# Altium PCB Power Distribution Board.PcbDoc (part 2 of 2) (continued)
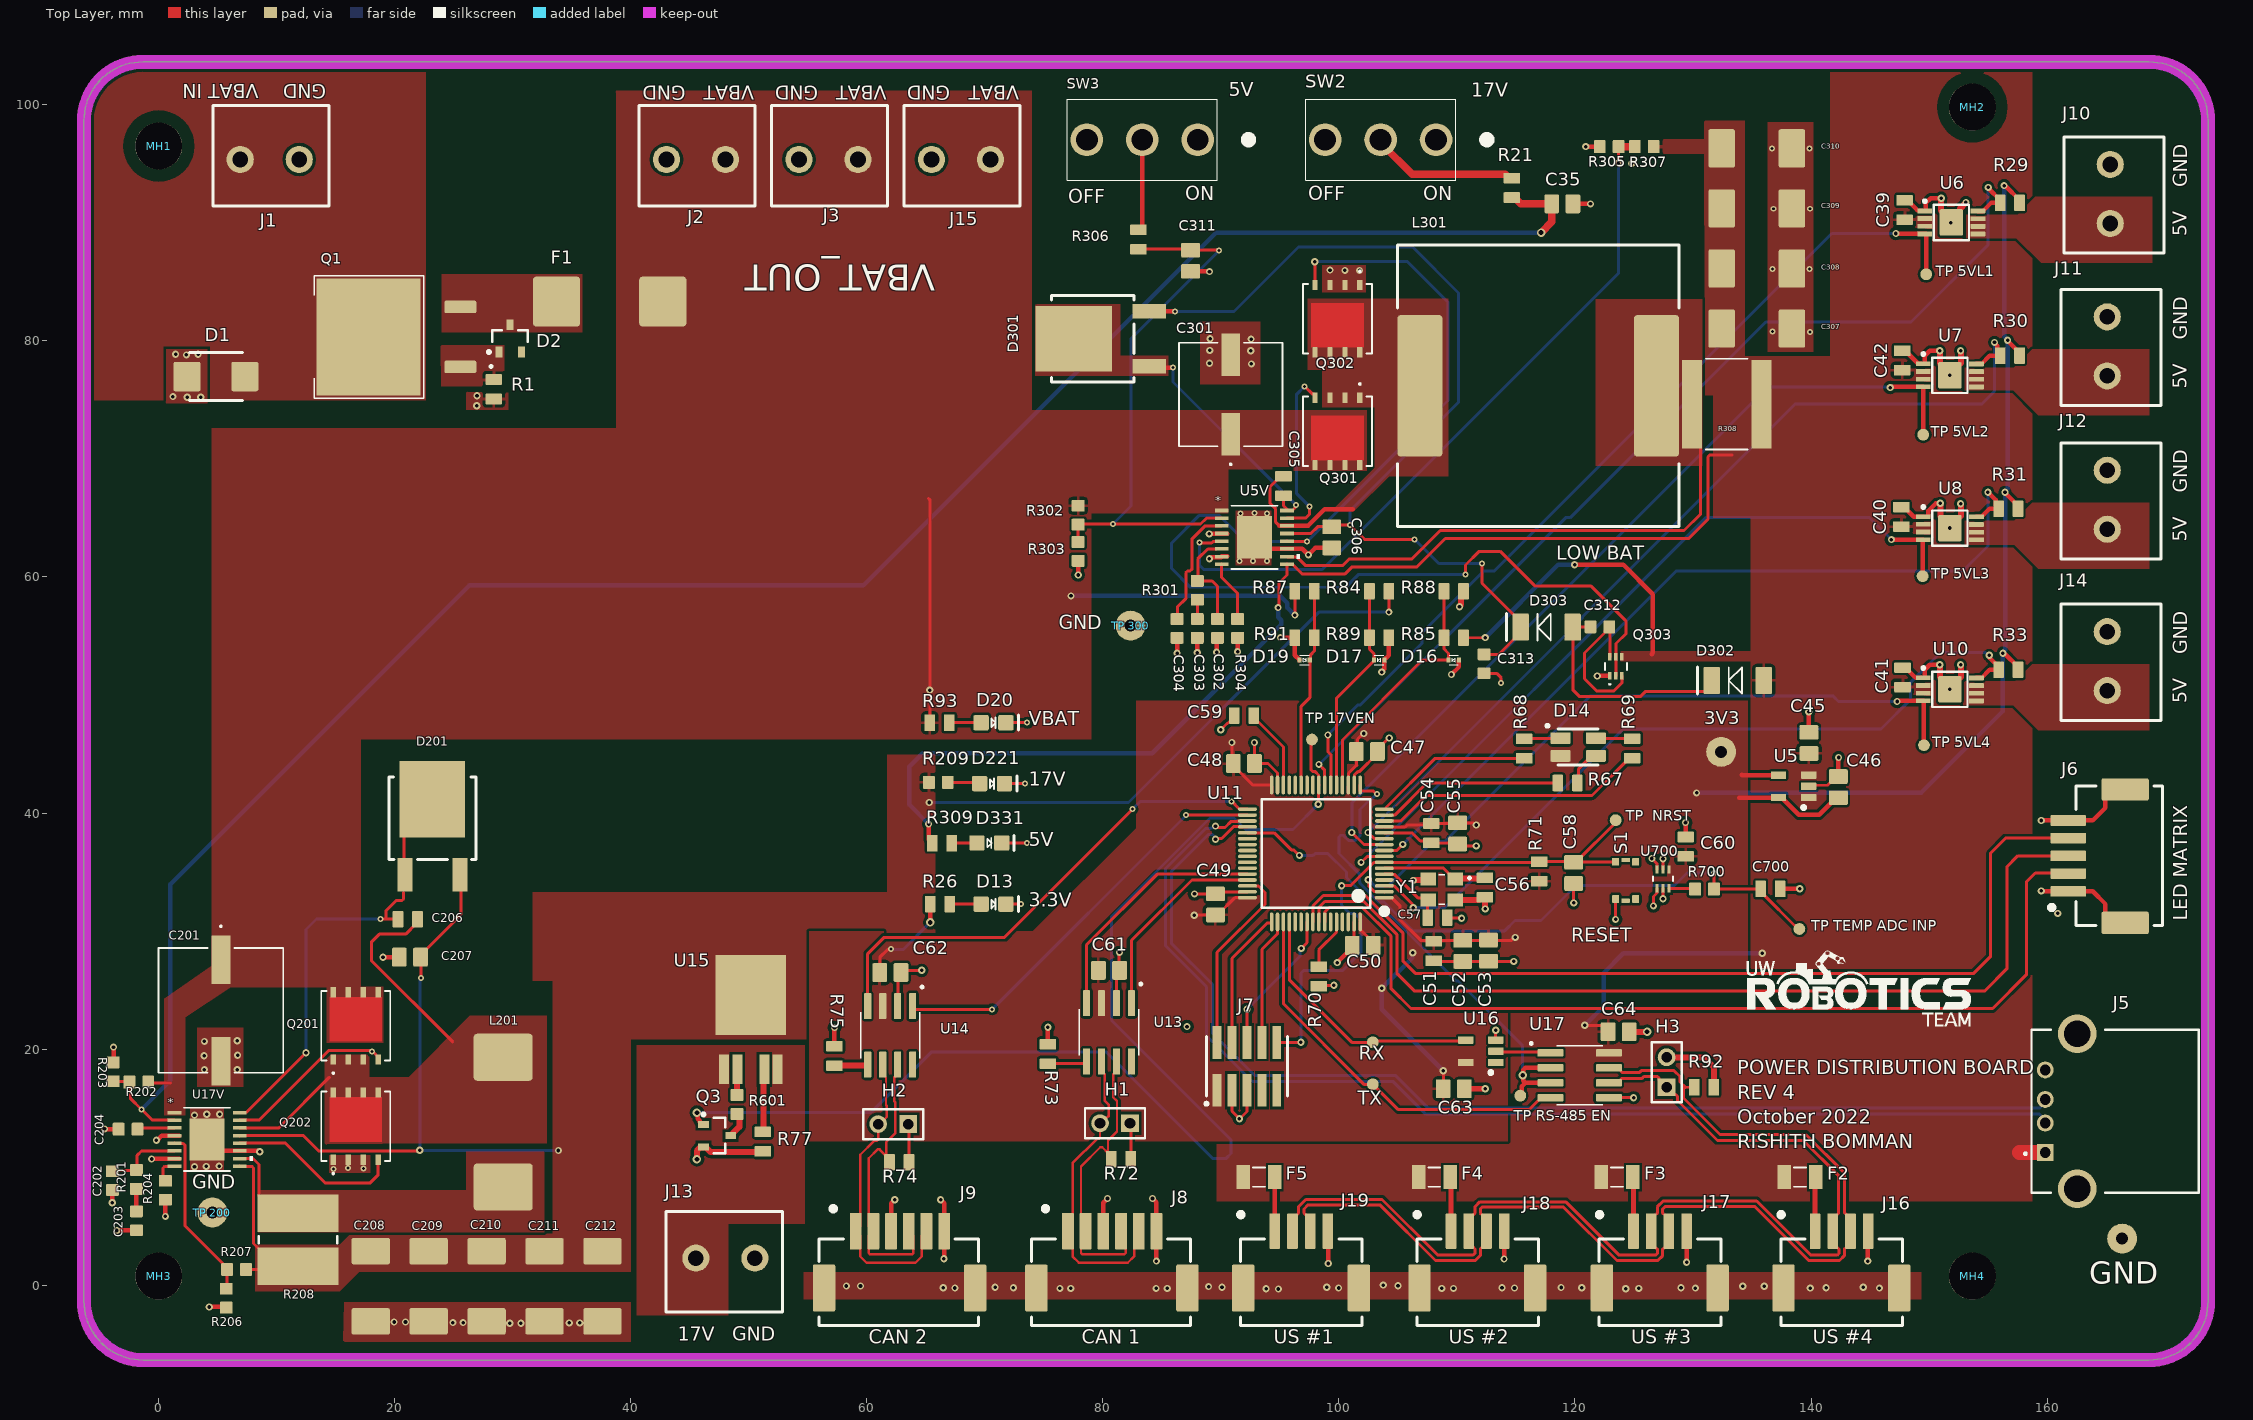
[diagram p0: Top Layer view]
## Nets (pads, with @x,y where several pads share a name; then routed paths per layer and width w, separated by ;. In a path a pad name is that pad's centre, name@x,y a point inside that pad or via, vN(x,y) a via of type N, cw(c..) or ccw(c..) an arc to the next point about the centre after c; other vN are vias at no path point) (continued)
NetD20_1: D20.1 R93.1 | length 2.7
  Top Layer w0.254: R93.1@66.981,47.65 D20.1@69.678,47.65
NetD221_1: D221.1 R209.2 | length 2.7
  Top Layer w0.254: R209.2@66.853,42.596 66.881,42.568 69.48,42.568 D221.1@69.553,42.494
NetD331_1: D331.1 R309.2 | length 2.2
  Top Layer w0.254: R309.2@67.183,37.44 67.208,37.465 D331.1@69.325,37.465
NetF2_1: F2.1 J16.1 | length 4.6
  Top Layer w0.254: F2.1@140.343,9.089 F2.1@140.398,9.144
  Top Layer w0.406: J16.1@140.343,4.566 F2.1@140.343,9.089
NetF3_1: F3.1 J17.1 | length 4.6
  Top Layer w0.254: F3.1@124.904,9.144 F3.1@124.955,9.093
  Top Layer w0.406: J17.1@124.955,4.566 F3.1@124.955,9.093
NetF4_1: F4.1 J18.1 | length 4.6
  Top Layer w0.254: F4.1@109.41,9.144 F4.1@109.498,9.056
  Top Layer w0.406: J18.1@109.498,4.572 F4.1@109.498,9.056
NetF5_1: F5.1 J19.1 | length 4.7
  Top Layer w0.254: F5.1@94.56,8.899 F5.1@94.805,9.144
  Top Layer w0.406: J19.1@94.56,4.572 F5.1@94.56,8.899
NetH1_1: H1.1 R72.1 | length 3.1
  Top Layer w0.254: H1.1@82.296,13.716 82.359,13.653 R72.1@82.359,10.668
NetH2_1: H2.1 R74.1 | length 3.3
  Top Layer w0.254: H2.1@63.494,13.642 63.563,13.573 R74.1@63.563,10.414
NetH3_2: H3.2 R92.1 | length 6.1
  Top Layer w0.508: H3.2@127.762,19.304 130.937,19.304 131.762,18.479 R92.1@131.762,16.764
NetQ3_1: "TP 17VEN.1" Q3.1 U11.24 | length 105.1
  Top Layer w0.254: 97.714,46.228 97.617,46.131 97.617,43.684 97.795,43.506 97.993,43.506 98.274,43.225 98.274,43.078 98.285,43.067 98.285,42.385 U11.24@98.294,42.376 98.285,42.367 98.285,40.78 v1(98.247,40.742)
  Top Layer w0.381: v3(45.593,14.605) 45.68,14.518 45.68,14.086 45.829,13.937 45.829,13.787 46.002,13.614 Q3.1@46.152,13.614
  Bottom Layer w0.254: v3(45.593,14.605) 60.317,14.605 65.448,19.736 80.294,19.736 89.286,10.744 90.454,10.744 90.856,11.146 90.856,12.314 80.721,22.449 80.721,31.237 89.064,39.581 91.102,39.581 92.075,38.608 96.114,38.608 v1(98.247,40.742)
NetQ3_3: Q3.3 R601.1 | length 2.3
  Top Layer w0.508: Q3.3@48.452,12.664 48.602,12.664 48.648,12.71 48.648,12.86 49.2,13.412 49.2,14.3 R601.1@48.997,14.503
NetR21_1: R21.1 SW2.2 | length 12.3
  Top Layer w0.635: SW2.2@103.692,96.638 106.197,94.132 114.075,94.132 114.483,93.725 R21.1@114.809,93.725
NetR29_1: R29.1 U6.8 U11.23 | length 85.7
  Top Layer w0.254: v1(98.303,44.118) 98.789,43.631 98.789,43.455 98.794,43.451 U11.23@98.794,42.376
  Top Layer w0.381: U6.8@154.142,91.008 154.567,91.008 155.253,91.694 R29.1@156.02,91.694 156.02,91.944 155.06,92.904 155.06,92.971 v1(155.016,93.015)
  Bottom Layer w0.254: v1(98.303,44.118) 119.209,65.025 119.589,65.025 136.174,81.611 148.463,81.611 155.016,88.163 v1(155.016,93.015)
NetR30_1: R30.1 U7.8 U11.11 | length 77.8
  Top Layer w0.254: v1(102.464,38.354) 102.983,37.835 103.835,37.835 U11.11@103.844,37.826
  Top Layer w0.381: U7.8@154.015,78.054 154.44,78.054 155.126,78.74 155.893,78.74 155.76,78.873 155.76,79.61 155.55,79.821 v1(155.55,79.883)
  Bottom Layer w0.254: v1(102.464,38.354) 120.632,56.522 120.632,56.624 138.684,74.676 154.483,74.676 155.55,75.743 v1(155.55,79.883)
NetR31_1: R31.1 U8.8 U11.9 | length 70.3
  Top Layer w0.254: U11.9@103.844,36.826 104.898,36.826 v1(105.41,37.338)
  Top Layer w0.381: U8.8@154.015,65.1 154.44,65.1 155.126,65.786 R31.1@155.893,65.786 155.633,66.046 155.633,66.54 v1(154.991,67.183)
  Bottom Layer w0.254: v1(105.41,37.338) 128.575,60.503 152.857,60.503 154.991,62.636 v1(154.991,67.183)
NetR33_1: R33.1 U10.8 U11.3 | length 65.8
  Top Layer w0.254: U11.3@103.844,33.826 103.853,33.817 104.682,33.817 106.231,32.268 106.231,32.043 v1(106.299,31.975)
  Top Layer w0.381: U10.8@154.015,51.448 154.44,51.448 155.126,52.133 R33.1@155.893,52.133 155.893,52.383 155.143,53.134 155.143,53.322 v1(155.099,53.366)
  Bottom Layer w0.254: v1(106.299,31.975) 108.937,31.975 124.079,47.117 145.928,47.117 148.449,49.638 148.449,51.073 150.97,53.594 154.775,53.594 155.003,53.366 v1(155.099,53.366)
NetR70_1: R70.1 U11.60 | length 4.4
  Top Layer w0.254: R70.1@98.298,26.987 98.298,28.412 99.785,29.899 99.785,30.767 U11.60@99.794,30.776
NetR73_1: R73.1 U13.5 | length 3.4
  Top Layer w0.254: R73.1@75.336,18.758 78.44,18.758 78.613,18.931 U13.5@78.613,18.936
NetR75_1: R75.1 U14.5 | length 2.9
  Top Layer w0.508: R75.1@56.972,18.594 R75.1@57.002,18.594 ; R75.1@57.252,18.594 60.025,18.594 60.071,18.64 U14.5@60.071,18.682
NetR77_2: R77.2 U15.4 | length 5.4
  Top Layer w0.508: R77.2@51.181,12.978 51.243,13.04 51.243,18.217 U15.4@51.305,18.279
NetR305_1: R305.1 R307.2 U5V.5 | length 61.3
  Top Layer w0.254: v2(88.163,62.941) 88.212,62.893 89.216,62.893 89.341,63.017 U5V.5@89.586,63.017 ; v1(123.673,95.072) 123.673,96.444 R305.1@123.698,96.469 ; R305.1@124.003,96.495 R305.1@124.028,96.469
  Top Layer w0.635: R305.1@124.028,96.469 R307.2@125.07,96.469
  Bottom Layer w0.254: v2(88.163,62.941) 88.163,61.007 88.541,60.63 98.577,60.63 123.673,85.725 v1(123.673,95.072)
NetR306_1: R306.1 SW3.2 | length 7.8
  Top Layer w0.381: R306.1@83.007,89.432 83.078,89.432 83.337,89.692 SW3.2@83.337,97.053
NetR601_2: R601.2 U15.2 | length 2.2
  Top Layer w0.508: R601.2@48.997,16.103 49.011,16.118 49.011,18.265 U15.2@49.025,18.279
NetR700_1: R700.1 U700.3 | length 2.2
  Top Layer w0.254: U700.3@127.957,33.615 130.114,33.615 R700.1@130.175,33.553
NetRX_1: RX.1 U11.52 U16.4 | length 21.4
  Top Layer w0.254: U11.52@95.794,30.051 95.794,25.872 99.27,22.396 101.092,20.574 RX.1@102.87,20.574 102.964,20.668 110.641,20.668 U16.4@110.735,20.762
"NetTP 5VL1_1": "TP 5VL1.1" U6.4 U11.22 | length 76.6
  Top Layer w0.254: v1(99.06,46.609) 99.06,45.212 99.314,44.958 99.314,43.079 99.303,43.067 99.303,42.385 U11.22@99.294,42.376
  Top Layer w0.381: v1(147.193,89.103) 147.219,89.078 149.632,89.078 U6.4@149.642,89.068 149.749,89.068 149.758,89.059 149.758,85.649
  Bottom Layer w0.254: v1(99.06,46.609) 101.619,49.168 101.827,49.168 107.045,54.386 107.045,55.285 112.263,60.503 113.162,60.503 141.762,89.103 v1(147.193,89.103)
"NetTP 5VL2_1": "TP 5VL2.1" U7.4 U11.10 | length 72.8
  Top Layer w0.254: v1(101.092,38.354) 102.12,37.326 U11.10@103.844,37.326
  Top Layer w0.381: v1(146.71,76.048) 146.772,76.048 146.839,76.114 U7.4@149.515,76.114 ; 149.504,72.06 149.504,76.105 U7.4@149.515,76.114
  Bottom Layer w0.254: v1(101.092,38.354) 101.092,40.843 136.363,76.114 146.644,76.114 v1(146.71,76.048)
"NetTP 5VL3_1": "TP 5VL3.1" U8.4 U11.8 | length 65.8
  Top Layer w0.254: v1(101.875,35.814) 102.387,36.326 U11.8@103.844,36.326
  Top Layer w0.381: v1(146.812,63.17) 146.817,63.165 149.51,63.165 U8.4@149.515,63.16 149.463,63.16 149.454,63.151 149.454,60.071
  Bottom Layer w0.254: v1(101.875,35.814) 131.085,65.024 144.958,65.024 v1(146.812,63.17)
"NetTP 5VL4_1": "TP 5VL4.1" U10.4 U11.2 | length 60.1
  Top Layer w0.254: v1(102.485,34.341) 102.553,34.273 102.553,33.787 103.006,33.335 103.835,33.335 U11.2@103.844,33.326
  Top Layer w0.381: v1(147.295,49.454) 147.356,49.454 147.41,49.508 149.561,49.508 149.571,49.498 149.571,47.615 149.571,45.745
  Bottom Layer w0.254: v1(102.485,34.341) 102.516,34.341 103.075,33.782 104.14,33.782 107.95,37.592 108.966,37.592 121.31,49.936 141.842,49.936 142.324,49.454 v1(147.295,49.454)
"NetTP RS-485 EN_1": "TP RS-485 EN.1" U11.37 U17.2 U17.3 | length 40.7
  Top Layer w0.254: U11.37@92.244,38.326 94.516,38.326 95.964,36.878 96.144,36.878 96.61,36.411 v1(96.647,36.411) ; 115.367,16.053 115.51,16.196
  Top Layer w0.381: 115.51,16.196 115.51,16.861 115.793,17.145 ; U17.3@117.921,17.145 115.793,17.145 ; U17.2@117.921,18.415 115.793,18.415 115.633,18.255 115.633,17.843 v3(115.57,17.78) 115.633,17.717 115.633,17.305 115.793,17.145
  Bottom Layer w0.254: v1(96.647,36.411) 97.819,36.411 97.984,36.576 99.06,36.576 100.632,35.004 100.632,34.542 103.932,31.242 104.454,31.242 109.938,25.758 110.086,25.758 115.57,20.274 v3(115.57,17.78)
NetTX_1: TX.1 U11.51 U17.4 | length 33
  Top Layer w0.254: U11.51@95.294,30.051 95.294,23.832 102.108,17.018 TX.1@102.87,17.018 105.029,14.859 116.105,14.859 116.973,15.727 117.121,15.875 U17.4@117.921,15.875
NetU11_33: U11.33 U14.4 | length 42.4
  Top Layer w0.254: U14.4@60.071,23.482 60.071,28.067 61.468,29.464 71.653,29.464 v2(82.521,40.332) ; v2(90.881,40.996) 90.912,40.996 91.582,40.326 U11.33@92.244,40.326
  Bottom Layer w0.254: v2(82.521,40.332) 83.185,40.996 v2(90.881,40.996)
NetU11_34: U11.34 U14.1 | length 35.2
  Top Layer w0.254: U14.1@63.881,23.482 63.995,23.368 v2(70.612,23.368) ; v2@87.07,39.826 U11.34@92.244,39.826
  Bottom Layer w0.254: v2(70.612,23.368) 87.036,39.792 87.036,39.817 v2(87.046,39.827)
NetU11_44: U11.44 U13.4 | length 21.2
  Top Layer w0.254: U13.4@78.613,23.736 78.613,28.829 84.607,34.823 U11.44@92.244,34.823
NetU11_45: U11.45 U13.1 | length 16.7
  Top Layer w0.254: U13.1@82.423,23.736 82.423,29.21 87.539,34.326 U11.45@91.519,34.326
NetU16_2: U16.2 U17.1 | length 4.7
  Top Layer w0.254: U16.2@113.293,19.812 113.356,19.748 117.858,19.748 U17.1@117.921,19.685
NRST: "TP  NRST.1" C58.2 J7.10 R71.1 S1.2 U11.7 | length 49.3
  Top Layer w0.254: J7.10@94.742,20.574 v1(96.774,20.574) ; v1(100.22,33.843) 100.982,33.843 102.957,35.817 103.835,35.817 U11.7@103.844,35.826 116.916,35.826 R71.1@116.967,35.877 119.831,35.877 C58.2@119.888,35.82 120.063,35.82 C58.2@120.106,35.863 ; S1.2@123.444,35.863 C58.2@120.106,35.863 ; 123.444,39.395 123.444,39.201 C58.2@120.106,35.863
  Bottom Layer w0.254: v1(96.774,20.574) 96.774,26.416 97.003,26.645 100.305,26.645 101.854,28.194 101.854,30.988 101.346,31.496 100.925,31.496 100.22,32.201 v1(100.22,33.843)
RS-485_N: J16.3 J17.3 J18.3 J19.3 R92.2 U17.7 | length 96.4
  Top Layer w0.254: J19.3@97.56,4.572 97.56,5.622 97.237,5.945 97.187,5.945 97.039,6.094 97.039,6.453 97.386,6.8 103.457,6.8 108.172,2.085 111.56,2.085 111.977,2.502 111.977,3.05 112.125,3.199 112.175,3.199 112.498,3.522 J18.3@112.498,4.572 112.498,5.622 112.175,5.945 112.125,5.945 111.977,6.094 111.977,6.453 112.128,6.604 119.028,6.604 123.553,2.079 127.017,2.079 127.434,2.495 127.434,3.044 127.582,3.193 127.632,3.193 127.955,3.516 J17.3@127.955,4.566 127.955,5.616 127.632,5.939 127.582,5.939 127.434,6.088 127.434,6.447 127.66,6.673 135.211,6.673 139.806,2.079 142.405,2.079 142.822,2.495 142.822,3.044 142.97,3.193 143.02,3.193 143.343,3.516 143.343,5.616 142.847,6.112 142.847,9.468 139.548,12.768 132.28,12.768 129.191,15.857 129.191,16.615 129.34,16.764 ; U17.7@122.871,18.415 123.671,18.415 123.844,18.242 123.844,18.183 123.993,18.034 125.484,18.034 125.623,18.173 128.392,18.173 128.893,17.672 128.893,17.211 129.34,16.764 ; R92.2@130.112,16.764 129.34,16.764
RS-485_P: H3.1 J16.2 J17.2 J18.2 J19.2 U17.6 | length 94
  Top Layer w0.254: J19.2@96.06,4.572 96.06,5.622 96.383,5.945 96.433,5.945 96.581,6.094 96.581,6.642 97.197,7.257 103.646,7.257 108.362,2.542 111.371,2.542 111.519,2.691 111.519,3.05 111.371,3.199 111.321,3.199 110.998,3.522 J18.2@110.998,4.572 110.998,5.622 111.321,5.945 111.371,5.945 111.519,6.094 111.519,6.642 111.938,7.061 119.217,7.061 123.742,2.536 126.828,2.536 126.976,2.685 126.976,3.044 126.828,3.193 126.778,3.193 126.455,3.516 J17.2@126.455,4.566 126.455,5.616 126.778,5.939 126.828,5.939 126.976,6.088 126.976,6.636 127.471,7.13 135.401,7.13 139.995,2.536 142.216,2.536 142.364,2.685 142.364,3.044 142.216,3.193 142.166,3.193 141.843,3.516 141.843,5.616 142.339,6.112 142.339,9.258 139.337,12.26 132.069,12.26 128.683,15.646 128.683,15.992 128.534,16.141 128.385,16.141 H3.1@127.762,16.764 127.139,17.387 127.139,17.516 126.99,17.665 125.834,17.665 125.695,17.526 123.993,17.526 123.844,17.377 123.844,17.318 123.671,17.145 U17.6@122.871,17.145
"SENSE+ 5V": L301.2 R308.1 U5V.10 | length 47.2
  Top Layer w0.254: U5V.10@95.606,61.732 95.631,61.707 96.434,61.707 97.18,60.96 100.305,60.96 100.863,61.519 106.172,61.519 108.585,63.932 129.235,63.932 130.651,65.348 130.651,70.882 130.645,70.888 130.645,73.927 R308.1@129.921,74.651 ; L301.2@126.911,76.2 L301.2@126.913,76.198 ; R308.1@130.252,76.198 R308.1@130.556,75.894
"SENSE+ 17V": L201.2 R208.1 U17V.10 | length 8.4
  Top Layer w0.254: U17V.10@6.858,10.719 7.976,10.719 8.484,10.211 8.484,7.563 9.947,6.1 R208.1@11.786,6.1
"SW 5V": C305.2 L301.1 Q301.1 Q301.2 Q301.3 Q302.5 Q302.6 Q302.7 Q302.8 U5V.14 | length 12
  Top Layer w0.254: 94.947,64.333 94.64,64.639 94.64,65.779 94.144,66.276 94.144,67.622 95.051,68.529 C305.2@95.301,68.529 ; Q302.5@97.968,78.74 Q302.5@98.009,78.74
  Top Layer w0.381: 94.947,64.333 97.379,64.333 98.781,65.735 101.168,65.735
"SW 17V": C206.2 L201.1 Q201.1 Q201.2 Q201.3 Q202.5 Q202.6 Q202.7 Q202.8 U17V.14 | length 25.4
  Top Layer w0.254: U17V.14@6.858,13.32 10.17,13.32 14.453,17.602 ; Q202.8@14.783,16.307 Q202.8@14.783,16.51 ; C206.2@21.92,30.632 21.814,30.632 20.919,29.738 18.685,29.738 18.009,29.061 18.009,27.508 24.902,20.615
SWD_CLK: J7.4 U11.49 | length 11.8
  Top Layer w0.254: J7.4@90.932,20.574 90.932,27.686 93.912,30.666 94.273,30.666 94.294,30.687 U11.49@94.294,30.776
SWD_IO: J7.2 U11.46 | length 15.4
  Top Layer w0.254: J7.2@89.662,20.574 89.662,28.194 93.726,32.258 93.726,33.274 93.174,33.826 U11.46@92.969,33.826
TEMPERATURE_ADC_INPUT: "TP TEMP ADC INP.1" C700.2 R700.2 U11.17 | length 57
  Top Layer w0.254: U11.17@101.794,42.376 101.794,41.874 101.815,41.853 102.934,41.853 103.157,41.631 v2(103.226,41.631) ; v2(131.775,34.925) R700.2@131.775,33.553 135.712,33.553 C700.2@135.738,33.579 135.738,33.329 138.891,30.175 139.014,30.175
  Bottom Layer w0.254: v2(103.226,41.631) 102.742,41.147 102.632,41.147 101.778,40.293 101.778,38.07 101.376,37.668 100.808,37.668 100.359,38.117 100.149,38.117 100,37.968 100,36.576 101.752,34.823 101.752,34.163 101.774,34.141 101.774,34.047 103.36,32.461 103.81,32.461 106.248,30.023 114.046,30.023 114.91,30.886 117.119,30.886 120.091,33.858 128.422,33.858 129.489,34.925 v2(131.775,34.925)
"TG 5V": Q301.4 U5V.15 | length 15
  Top Layer w0.254: U5V.15@95.606,64.983 97.173,64.983 97.485,65.296 v2(97.485,65.989) ; v2(97.079,76.149) 97.113,76.149 97.773,75.489 97.866,75.489 97.968,75.387 Q301.4@97.968,75.184
  Bottom Layer w0.254: v2(97.079,76.149) 96.418,75.489 96.418,67.056 v2(97.485,65.989)
"TG 17V": Q201.4 U17V.15 | length 14.4
  Top Layer w0.254: U17V.15@6.858,13.97 8.499,13.97 14.417,19.888 v2@17.916,19.888 ; v2(18.079,19.794) 18.128,19.794 18.593,19.329 Q201.4@18.593,19.126
USB_N: J5.2 U11.35 | length 98.7
  Top Layer w0.254: v1(89.535,38.895) 89.631,38.895 89.749,38.777 90.348,38.777 90.874,39.303 91.392,39.303 91.395,39.306 91.542,39.306 91.553,39.317 92.235,39.317 U11.35@92.244,39.326
  Bottom Layer w0.254: v1(89.535,38.895) 89.439,38.895 89.262,38.718 89.137,38.718 89.104,38.685 88.707,38.685 85.322,35.3 85.322,28.724 88.773,25.273 88.773,21.126 92.627,17.272 104.565,17.272 107.359,14.478 159.358,14.478 J5.2@160.104,13.732
USB_P: J5.3 U11.36 | length 97.3
  Top Layer w0.254: v1(89.535,37.777) 89.603,37.845 90.062,37.845 91.063,38.846 91.542,38.846 91.553,38.835 92.235,38.835 U11.36@92.244,38.826
  Bottom Layer w0.254: v1(89.535,37.777) 89.535,37.924 89.282,38.177 88.918,38.177 85.83,35.089 85.83,28.934 89.281,25.483 89.281,21.336 92.837,17.78 104.775,17.78 107.569,14.986 159.358,14.986 J5.3@160.104,15.732
VBAT: D1.2 J1.2 Q1.2
VBAT_FUSED: C201.1 C301.1 F1.2 J2.1 J3.1 J15.1 Q201.5 Q201.6 Q201.7 Q201.8 Q301.5 Q301.6 Q301.7 Q301.8 R87.2 R93.2 R202.1 R302.1 U5V.1 U17V.1 | length 42.8
  Top Layer w0.254: R202.1@-0.889,17.196 -0.838,17.145 0.991,17.145 ; 65.227,66.65 65.331,66.546 v1(65.331,50.419) R93.2@65.331,47.65 ; v1(96.266,56.769) R87.2@96.266,58.801
  Bottom Layer w0.381: v1(77.292,58.395) 95.021,58.395 95.635,57.781 95.635,57.4 v1(96.266,56.769)
"VC 5V": C302.1 R301.1 U5V.6 | length 8.5
  Top Layer w0.254: R301.1@87.994,59.664 R301.1@88.044,59.664 ; U5V.6@89.611,62.381 88.886,62.381 88.044,61.54 R301.1@88.044,59.664 ; C302.1@89.704,56.439 89.704,59.216 89.256,59.664 R301.1@88.044,59.664
"VC 17V": C202.1 R201.1 U17V.6 | length 6.1
  Top Layer w0.254: C202.1@-3.454,9.728 -1.916,9.728 R201.1@-1.891,9.753 -1.829,9.815 -1.829,10.998 -1.458,11.369 U17V.6@1.321,11.369
"VCC 5V": C306.1 C313.1 D301.2 D303.2 U5V.13 | length 82.7
  Top Layer w0.254: D301.2@83.921,82.513 D301.2@83.935,82.499 ; U5V.13@95.606,63.683 97.617,63.683 98.196,64.262 C306.1@99.314,64.262 ; C306.1@99.39,64.249 99.556,64.414 v2(100.94,64.414) 102.159,63.195 v2(106.401,63.195) ; v2(112.116,61.138) 112.116,59.48 115.392,56.203 D303.2@115.392,55.753 115.392,55.303 113.531,53.441 C313.1@112.293,53.441
  Top Layer w0.381: D301.2@83.935,82.499 v2(86.106,82.499)
  Bottom Layer w0.254: v2(86.106,82.499) 91.11,82.499 96.571,87.96 106.248,87.96 110.134,84.074 110.134,74.803 100.94,65.608 v2(100.94,64.414) ; v2(106.401,63.195) 108.458,61.138 v2(112.116,61.138)
"VCC 17V": C207.1 C208.1 C209.1 C210.1 C211.1 C212.1 D201.2 R84.2 R207.1 R208.2 R209.1 U15.3 U17V.9 U17V.13 | length 116.2
  Top Layer w0.254: U17V.9@6.833,10.094 U17V.9@6.858,10.069 7.878,10.069 8.026,9.92 8.026,7.828 8.025,7.827 8.025,4.373 8.026,4.372 8.026,3.519 9.946,1.6 R208.2@11.786,1.6 11.506,1.321 R207.1@7.391,1.321 ; U17V.13@6.833,12.644 U17V.13@6.858,12.67 12.248,12.67 13.538,11.379 22.069,11.379 v1(22.119,11.429) ; C208.1@17.907,2.873 C208.1@18.009,2.772 ; C207.1@22.174,27.788 22.2,27.762 v2(22.2,26.035) ; C207.1@22.657,28.219 22.657,28.445 25.6,31.389 D201.2@25.6,34.878 ; v1(104.234,57.023) R84.2@104.234,58.801
  Bottom Layer w0.254: v1(22.119,11.429) v1@22.123,11.433 ; v2(22.2,26.035) 22.151,25.986 22.151,25.807 22.123,25.779 v1@22.123,11.433 ; v1(33.858,11.405) 33.846,11.417 22.14,11.417 v1@22.123,11.433 ; v1(65.278,40.894) 82.161,40.894 98.29,57.023 v1(104.234,57.023)
"VFB 17V": R206.1 R207.2 U17V.5 | length 14
  Top Layer w0.254: U17V.5@1.321,12.019 1.346,11.994 2.062,11.994 2.235,11.821 2.235,5.004 R207.2@5.41,1.829 ; R206.1@5.715,-0.305 5.778,-0.242 5.778,1.308 R207.2@5.791,1.321
pads on no net: D2.2 J7.7 J7.9 MH1.0 MH2.0 MH3.0 MH4.0 S1.3 S1.4 S1.5 S1.6 SW2.3 SW3.3 U11.4 U11.25 U11.26 U11.28 U11.29 U11.38 U11.39 U11.40 U11.41 U11.42 U11.43 U11.53 U11.54 U11.59 U11.61 U11.62 U13.8 U14.8 U16.1

## Polygon pours and split planes (outlines as drawn)
3V3 on Top Layer "3V3_L01_P07" (solid, remove dead copper, pour order 29): 55.118,29.972 65.786,29.972 74.066,29.972 82.804,38.71 82.804,49.53 129.083,49.53 134.62,49.53 134.62,23.368 114.3,23.368 114.3,12.192 55.118,12.192
VBAT_FUSED on Top Layer "Top Layer-VBAT_FUSED" (solid, remove dead copper, pour order 75): 79.019,46.253 79.019,65.405 89.357,65.405 90.627,65.405 90.627,69.113 94.336,69.113 94.336,69.342 96.19,69.342 96.19,68.986 102.362,68.986 102.362,74.143 73.99,74.143 73.99,101.219 38.684,101.219 38.633,101.168 38.76,101.041 38.76,72.593 4.471,72.593 4.471,29.627 4.471,27.051 0.483,24.257 0.483,14.402 2.235,14.402 2.235,22.682 6.096,25.248 14.275,25.248 14.224,25.222 14.224,20.523 18.999,20.523 18.999,25.298 17.094,25.298 17.094,46.253
NetD2_1 on Top Layer "NETD2_1_L01_P095" (solid, pour order 95): 23.901,79.629 29.286,79.629 29.286,76.175 23.935,76.175
NetD2_3 on Top Layer "NETD2_3_L01_P083" (solid, remove dead copper, pour order 83): 35.89,85.649 35.89,80.747 23.978,80.747 23.978,85.649
VBAT on Top Layer "VBAT_L01_P10" (solid, remove dead copper, pour order 24): 0.381,74.981 0.381,79.553 4.369,79.553 4.369,74.981 22.631,74.981 22.631,103.65 -6.35,103.65 -6.35,74.981
GND on Top Layer "GND_L01_P086" (solid, remove dead copper, pour order 86): 0.584,79.477 0.584,74.727 4.166,74.727 4.166,79.477
"SW 17V" on Top Layer "SW_17V_L01_P069" (solid, remove dead copper, pour order 69): 21.184,17.628 26.365,22.809 32.868,22.809 32.868,12.015 18.923,11.989 14.3,11.989 14.199,11.887 14.072,12.014 14.072,19.583 17.831,19.583 17.831,17.628
"BOOST 5V" on Top Layer "BOOST_5V_L01_P094" (solid, pour order 94): 74.244,83.109 74.27,83.083 74.27,77.038 85.344,77.038 85.496,77.038 85.522,77.038 85.522,78.74 81.458,78.74 81.458,83.109
5V on Top Layer "Top Layer-5V" (solid, remove dead copper, pour order 82): 89.662,7.112 158.75,7.112 158.75,103.886 141.63,103.886 141.63,78.715 134.366,78.715 134.366,98.65 130.947,98.65 130.951,97.104 126.086,97.104 126.086,95.86 130.953,95.86 131.002,75.387 131.724,75.387 131.724,65.024 134.874,65.024 134.874,53.696 123.774,53.696 123.774,52.857 134.874,52.857 134.874,23.622 114.554,23.622 114.554,12.446 89.662,12.446
17V_LOAD on Top Layer "17V_LOAD_L01_P09" (solid, remove dead copper, pour order 45): 40.488,20.32 54.737,20.32 54.737,5.207 48.26,5.207 48.26,-2.54 40.488,-2.54
GND on Top Layer "GND_L01_P093" (solid, remove dead copper, pour order 93): 2.667,14.986 5.486,14.986 5.486,9.677 2.667,9.677
GND on Top Layer "GND_L01_P092" (solid, remove dead copper, pour order 92): 3.277,21.793 4.139,21.793 7.137,21.793 7.137,16.789 6.247,16.789 3.277,16.789
GND on Top Layer "GND_L01_P091" (solid, remove dead copper, pour order 91): 29.591,75.622 26.06,75.698 26.06,74.365 26.06,74.162 29.591,74.162
GND on Top Layer "GND_L01_P085" (solid, remove dead copper, pour order 85): 149.327,1.092 54.635,1.092 54.635,-1.245 54.661,-1.219 149.327,-1.219
GND on Top Layer "GND_L01_P058" (solid, remove dead copper, pour order 58): 88.247,81.636 93.32,81.636 93.32,76.352 88.247,76.352
GND on Top Layer "GND_L01_P064" (solid, remove dead copper, pour order 64): 136.333,98.541 140.208,98.541 140.208,79.07 136.333,79.07
"SW 5V" on Top Layer "SW_5V_L01_P065" (solid, remove dead copper, pour order 65): 103.022,69.24 103.022,74.397 98.603,74.397 98.603,77.546 97.358,77.546 97.358,78.003 97.358,78.461 97.358,83.591 102.438,83.591 102.641,83.591 109.271,83.591 109.271,68.555 104.242,68.555 101.27,65.583 99.365,65.583
GND on Top Layer "GND_L01_P067" (solid, remove dead copper, pour order 67): 15.712,-1.473 40.005,-1.473 40.005,-4.801 15.646,-4.801
"SENSE+ 17V" on Top Layer "SENSE+_17V_L01_P071" (solid, remove dead copper, pour order 71): 26.067,8.026 26.067,11.278 32.664,11.278 32.664,11.1 32.664,4.496 30.378,4.496 8.433,4.496 8.433,8.026
"VCC 17V" on Top Layer "Top Layer-VCC 17V" (solid, remove dead copper, pour order 77): 8.153,-0.533 15.316,-0.533 16.993,1.143 39.98,1.143 39.98,4.369 39.973,4.369 39.973,20.828 65.786,20.828 65.786,36.576 65.786,44.958 61.722,44.958 61.722,33.274 31.699,33.274 31.699,25.781 33.401,25.781 33.401,4.369 16.256,4.369 15.316,3.429 8.153,3.429
"SENSE+ 5V" on Top Layer "SENSE+_5V_L01_P078" (solid, remove dead copper, pour order 78): 130.785,69.444 129.819,69.444 121.768,69.444 121.768,83.541 130.785,83.541
GND on Top Layer "GND_L01_P061" (solid, remove dead copper, pour order 61): 91.237,65.634 94.259,65.634 94.259,60.985 91.237,60.985
GND on Top Layer "GND_L01_P068" (solid, remove dead copper, pour order 68): 98.603,86.436 98.704,86.436 102.26,86.436 102.26,84.099 102.235,84.125 98.603,84.125
GND on Top Layer "GND_L01_P070" (solid, remove dead copper, pour order 70): 14.427,11.151 14.503,11.151 17.907,11.151 17.907,9.5 14.427,9.5
5V_LOAD1 on Top Layer "5V_LOAD1_L01_P01" (solid, remove dead copper, pour order 46): 168.91,86.614 168.91,92.202 159.004,92.202 157.485,90.683 153.162,90.683 153.162,88.72 157.406,88.72 159.512,86.614
5V_LOAD2 on Top Layer "5V_LOAD2_L01_P02" (solid, remove dead copper, pour order 47): 168.656,73.7 168.656,79.288 158.75,79.288 157.186,77.724 153.035,77.724 153.035,75.819 157.139,75.819 159.258,73.7
5V_LOAD3 on Top Layer "5V_LOAD3_L01_P03" (solid, remove dead copper, pour order 49): 168.656,60.706 168.656,66.294 158.75,66.294 157.231,64.775 153.035,64.775 153.035,62.738 157.226,62.738 159.258,60.706
5V_LOAD4 on Top Layer "5V_LOAD4_L01_P04" (solid, remove dead copper, pour order 50): 168.656,47.03 168.656,52.618 158.75,52.618 157.313,51.181 152.908,51.181 152.908,49.149 157.139,49.149 159.258,47.03
GND on L2-Ground "GND_L02_P15" (solid, remove dead copper, pour order 32): -6.35,103.886 -6.35,-6.35 173.99,-6.35 173.99,103.886
GND on L3-Ground "GND_L03_P057" (solid, remove dead copper, pour order 57): -6.35,-1.348 -6.35,98.65 -6.348,98.65 cw(c-1.348,98.65) -1.348,103.65 168.65,103.65 cw(c168.65,98.65) 173.65,98.65 173.65,-1.348 cw(c168.65,-1.348) 168.65,-6.348 168.65,-6.35 -1.348,-6.35 -1.348,-6.348 cw(c-1.348,-1.348)

## Keep-outs
Keep-Out Layer:
  lines w1.2: -6.35,-1.348 -6.35,98.65 -6.348,98.65 cw(c-1.348,98.65) -1.348,103.65 ; -6.348,-1.348 ccw(c-1.348,-1.348) -1.348,-6.348 -1.348,-6.35 168.65,-6.35 168.65,-6.348 ccw(c168.65,-1.348) 173.65,-1.348 ; -1.348,103.65 168.65,103.65 cw(c168.65,98.65) 173.65,98.65 ; -1.348,103.65 -1.348,103.65 ; 173.65,-1.348 173.65,-1.348 ; 173.65,-1.348 173.65,98.65 ; 173.65,98.65 173.65,98.65

## Silkscreen, mask and mechanical layers (free items; w line width, h text height)
Top Overlay:
  drawing of 16 lines, arcs and shapes, not listed
  text "VBAT IN" at 8.458,102.184 h2.03 r180
  text "GND" at 14.173,102.16 h2.03 r180
  text "VBAT" at 50.444,102.057 h2.03 r180
  text "GND" at 55.88,102.058 h2.03 r180
  text "VBAT" at 61.697,102.057 h2.03 r180
  text "VBAT" at 72.923,102.057 h2.03 r180
  text "GND" at 44.653,102.033 h2.03 r180
  text "GND" at 67.056,102.033 h2.03 r180
  text "5V" at 90.653,100.304 h2.03
  text "17V" at 111.227,100.279 h2.03
  text "GND" at 172.286,93.026 h2.03 r90
  text "ON" at 107.137,91.515 h2.03
  text "ON" at 86.97,91.49 h2.03
  text "OFF" at 97.409,91.49 h2.03
  text "OFF" at 77.064,91.261 h2.03
  text "5V" at 172.275,88.886 h2.03 r90
  text "VBAT_OUT" at 65.772,87.211 h3.81 r180
  text "GND" at 172.286,80.112 h2.03 r90
  text "5V" at 172.275,75.972 h2.03 r90
  text "GND" at 172.286,67.118 h2.03 r90
  text "5V" at 172.275,62.978 h2.03 r90
  text "LOW BAT" at 118.415,61.035 h2.03
  text "GND" at 76.276,55.141 h2.03
  text "GND" at 172.286,53.442 h2.03 r90
  text "5V" at 172.275,49.302 h2.03 r90
  text "VBAT" at 73.699,47 h2.03
  text "17V" at 73.699,41.874 h2.03
  text "5V" at 73.699,36.768 h2.03
  text "3.3V" at 73.699,31.642 h2.03
  text "LED MATRIX" at 172.288,30.865 h2.03 r90
  text "RESET" at 119.685,28.65 h2.03
  text "POWER DISTRIBUTION BOARD / REV 4 / October 2022 / RISHITH BOMMAN" at 133.731,11.176 h2.08
  text "GND" at 2.819,7.719 h2.03
  text "17V" at 43.962,-5.136 h2.03
  text "GND" at 48.576,-5.132 h2.03
  text "CAN 2" at 60.136,-5.388 h2.03
  text "CAN 1" at 78.224,-5.388 h2.03
  text "US #1" at 94.474,-5.386 h2.03
  text "US #2" at 109.309,-5.386 h2.03
  text "US #3" at 124.759,-5.386 h2.03
  text "US #4" at 140.129,-5.386 h2.03
Mechanical 1:
  the board outline again, w0.254

## Text inside footprints (layer, text, board x,y; h text height)
J5: Mechanical 13 "PCB EDGE" at 172.56,22.182 h0.81 r90
U5V: Top Overlay "*" at 89.497,65.811 h1.27; Mechanical 13 "*" at 90.653,64.564 h1.27
U17V: Top Overlay "*" at 0.749,14.798 h1.27; Mechanical 13 "*" at 1.905,13.551 h1.27